# Altium PCB PCB1.PcbDoc (part 1 of 2)
Units mm, origin at the board's own origin, x right, y up, seen from the top; angles counter-clockwise.
Board outline 101.35 x 52 mm, 2 copper layers (Top Layer, Bottom Layer); 142 components, 119 nets, 501 pads, 93 vias.
Unrouted connection lines stored in the file: 1.
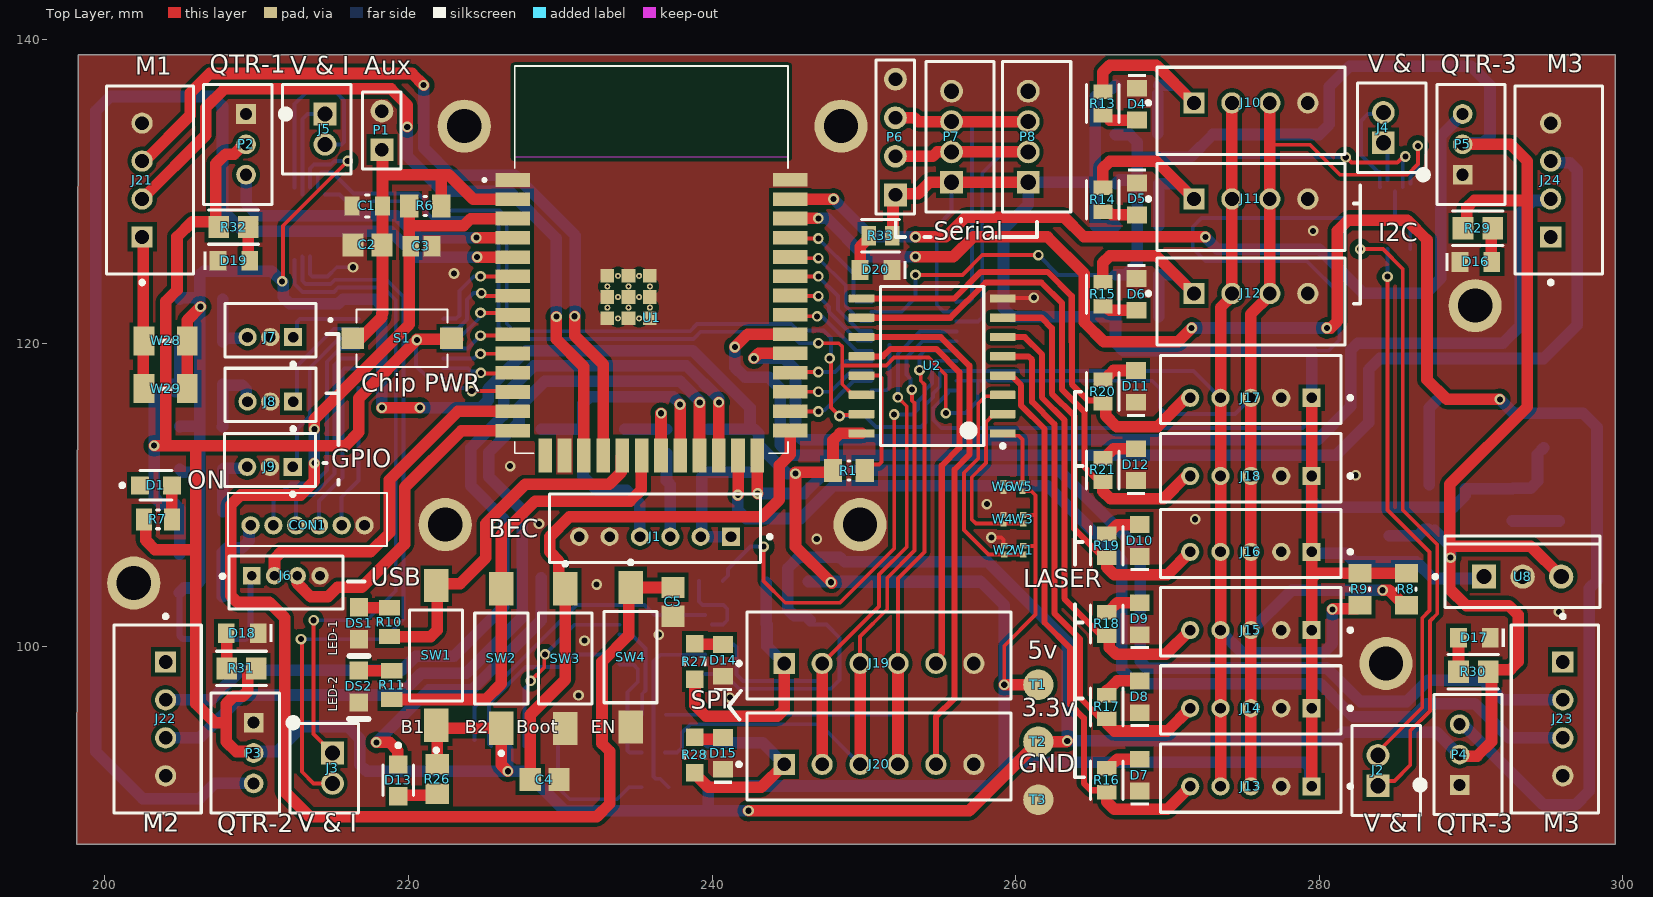
[diagram p0: Top Layer view]
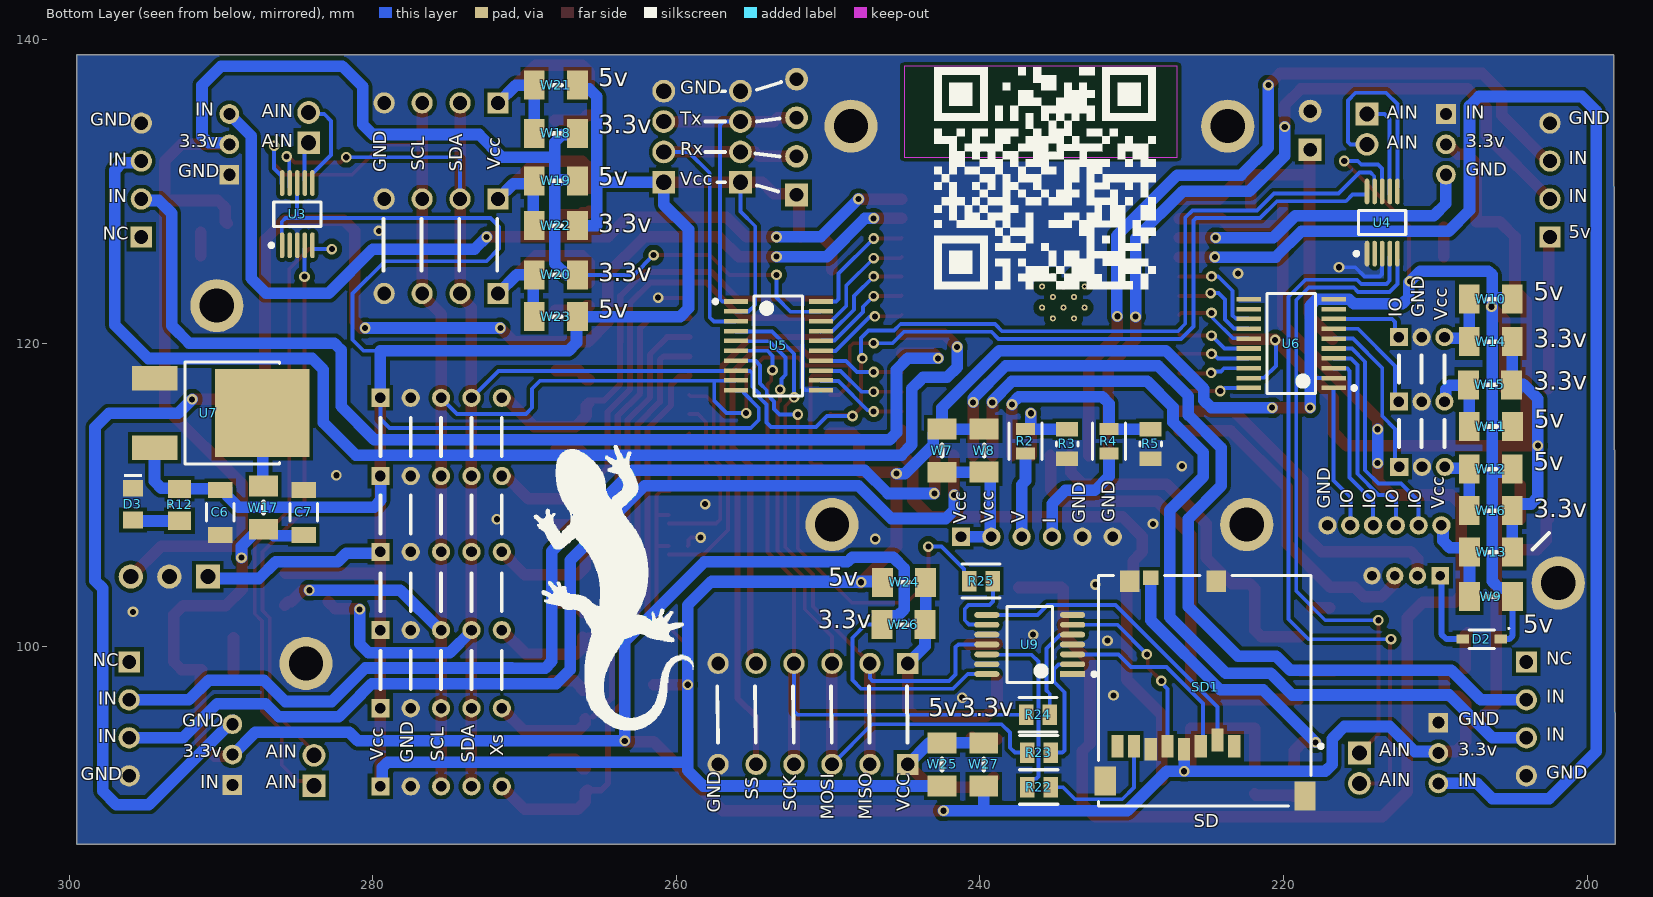
[diagram p1: Bottom Layer view, seen from below]
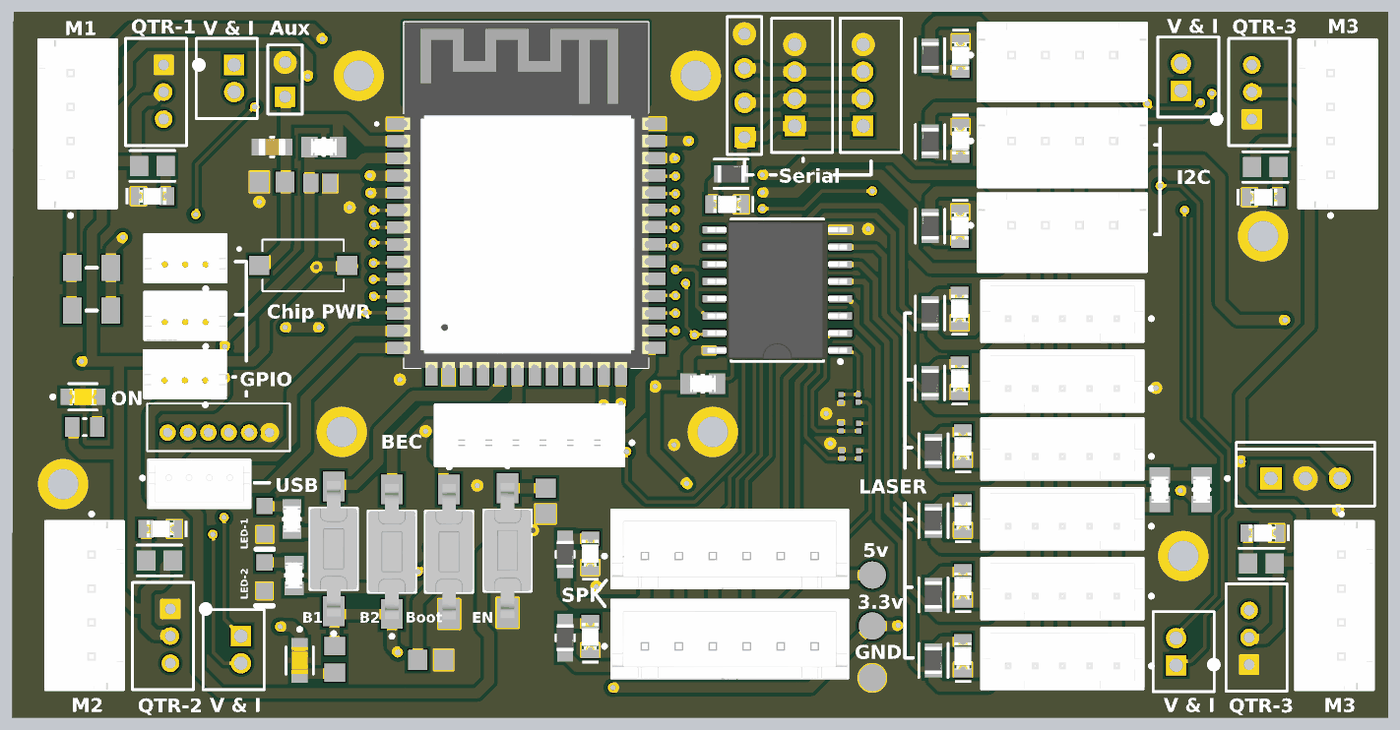
[diagram p3: 3D render of the assembled board from above, using the file's embedded part models]

## Layer stack, top to bottom
Top Solder: solder mask 0.0102, Solder Resist, Dk 3.5
Top Layer: signal copper 0.0356
Dielectric 1: dielectric 0.32, FR-4, Dk 4.8
Bottom Layer: signal copper 0.0356
Bottom Solder: solder mask 0.0102, Solder Resist, Dk 3.5

## Board outline
198.15,87 299.5,87 299.5,139 198.25,139

## Design rules (kind name [scope] priority, off if disabled: settings)
Clearance [All] p1: gap=0.254 ignorepadtopadclearanceinfootprint=TRUE except(0.127: Arc-SMDPad Track-SMDPad SMDPad-SMDPad; 0.33: Track-THPad; 0.5: Arc-THPad Arc-Hole Track-Hole SMDPad-THPad SMDPad-Hole THPad-THPad THPad-Hole Via-Hole Fill-Hole Poly-Hole Region-Hole Text-Hole)
PlaneConnect [All] p1: planeconnectstyle=Direct reliefexpansion=0.508 reliefentries=4 reliefconductorwidth=0.254 reliefairgap=0.254
PolygonConnect [All] p1: connectstyle=Direct reliefconductorwidth=0.4 reliefentries=4 polygonreliefangle="90 Angle" airgapwidth=0.3
RoutingVias [All] p1: holewidth=0.5 width=0.75 viastyle="Through Hole" minholewidth=0.254 minwidth=0.4 maxholewidth=0.711 maxwidth=1.27
SolderMaskExpansion [All] p1: expansion=0.102 istentingtop=FALSE
Width [All] p1: maxlimit=3 minlimit=0.254 preferedwidth=0.762 minimp=50.000000 maximp=50.000000 favimp=50.000000
29 further rules are at their usual default settings.

## Classes and differential pairs
component class UART: D20 P6 P7 P8 R33
component class "Drivers ESC": J21 J22 J23 J24 W28 W29
component class QTR: D16 D17 D18 D19 P2 P3 P4 P5 R29 R30 R31 R32
component class SPI: D13 D14 D15 J19 J20 R22 R23 R24 R25 R26 R27 R28 SD1 U9 W24 W25 W26 W27
component class I2C: D4 D5 D6 D7 D8 D9 D10 D11 D12 J10 J11 J12 J13 J14 J15 J16 J17 J18 R13 R14 R15 R16 R17 R18 R19 R20 R21 W18 W19 W20 W21 W22 W23
component class Hoja_principal_Sumo_2024: C1 C2 C3 C4 C5 C6 C7 CON1 D1 D2 D3 DS1 DS2 J1 J2 J3 J4 J5 J6 J7 J8 J9 P1 R1 R2 R3 R4 R5 R6 R7 R8 R9 R10 R11 R12 S1 SW1 SW2 SW3 SW4 T1 T2 T3 U1 U2 U3 U4 U5 U6 U7 U8 W1 W2 W3 W4 W5 W6 W7 W8 W9 W10 W11 W12 W13 W14 W15 W16 W17

## Components (designator, comment, footprint, x,y, rotation, side; value= is the part's Value field where it differs from the comment)
C1 "TMK212BBJ106KG-T" FP-0805-L_2_0_0_2-W_1_25-MFG 217.289,129.05 r180 top
C2 "GRM21BR71H104KA01L" CAPC2013X135X45ML10T25 217.3,126.475 r180 top
C3 "C0805C105K4PACTU" CAPC2013X145X50LL20T25 220.85,126.4 r180 top
C4 "GRM21BR71H104KA01L" CAPC2013X135X45ML10T25 228.975,91.25 r180 top
C5 "GRM21BR71H104KA01L" CAPC2013X135X45ML10T25 237.432,102.957 r90 top
C6 "GRM31CR71A226KE15L" FP-GRM31C-0_2-e0_3_0_8-MFG 290.04,108.847 r270 bottom
C7 "GRM31CR71A226KE15L" FP-GRM31C-0_2-e0_3_0_8-MFG 284.55,108.847 r90 bottom
CON1 "B6B-ZR" B6B-ZR 218.6,106.7 r180 top
D1 "APHCM2012SYCK-F01" FP-APHCM2012SYCK-F01-MFG 203.368,110.632 r0 top
D2 "BAS3010A03WE6327HTSA1" INF-SOD323_V 206.94,100.5 r270 bottom
D3 "150080SS75000" WL-SMCW_0805_150080xx75000 295.8,109.398 r270 bottom
D4 "150080BS75000" WL-SMCW_0805_150080xx75000 268,135.75 r270 top
D5 "150080BS75000" WL-SMCW_0805_150080xx75000 268,129.5 r270 top
D6 "150080BS75000" WL-SMCW_0805_150080xx75000 267.965,123.215 r270 top
D7 "150080BS75000" WL-SMCW_0805_150080xx75000 268.175,91.55 r90 top
D8 "150080BS75000" WL-SMCW_0805_150080xx75000 268.175,96.7 r90 top
D9 "150080BS75000" WL-SMCW_0805_150080xx75000 268.175,101.85 r90 top
D10 "150080BS75000" WL-SMCW_0805_150080xx75000 268.175,107 r90 top
D11 "150080BS75000" WL-SMCW_0805_150080xx75000 267.925,117.15 r90 top
D12 "150080BS75000" WL-SMCW_0805_150080xx75000 267.925,112 r90 top
D13 "LTST-C170KFKT" FP-LTST-C170KFKT-MFG 219.325,91.2 r270 top
D14 "150080BS75000" WL-SMCW_0805_150080xx75000 240.725,99.1 r90 top
D15 "150080BS75000" WL-SMCW_0805_150080xx75000 240.725,92.975 r90 top
D16 "150080BS75000" WL-SMCW_0805_150080xx75000 290.325,125.35 r0 top
D17 "150080BS75000" WL-SMCW_0805_150080xx75000 290.225,100.6 r180 top
D18 "150080BS75000" WL-SMCW_0805_150080xx75000 209.05,100.9 r180 top
D19 "150080BS75000" WL-SMCW_0805_150080xx75000 208.5,125.425 r0 top
D20 "150080BS75000" WL-SMCW_0805_150080xx75000 250.8,124.825 r180 top
DS1 "HSMG-C170" AVAG-HSMX-C170_V 216.75,101.55 r270 top
DS2 "HSMG-C170" AVAG-HSMX-C170_V 216.725,97.385 r270 top
J1 "B6B-PH-K-K(LF)(SN)" FP-B6B-PH-K-K_LF_SN-MFG 236.25,107.8 r0 top
J2 "B2B-PH-K-S(LF)(SN)" JST-B2B-PH-K-S_V 284.425,91.85 r90 top
J3 "B2B-PH-K-S(LF)(SN)" JST-B2B-PH-K-S_V 214.45,92 r270 top
J4 "B2B-PH-K-S(LF)(SN)" JST-B2B-PH-K-S_V 284.775,134.2 r90 top
J5 "B2B-PH-K-S(LF)(SN)" JST-B2B-PH-K-S_V 213.95,134.1 r270 top
J6 "B4B-ZR(LF)(SN)" FP-B4B-ZR_LF_SN-MFG 211.924,104.226 r180 top
J7 "B3B-ZR(LF)(SN)" FP-B3B-ZR_LF_SN-MFG 210.9,120.85 r0 top
J8 "B3B-ZR(LF)(SN)" FP-B3B-ZR_LF_SN-MFG 210.9,116.6 r0 top
J9 "B3B-ZR(LF)(SN)" FP-B3B-ZR_LF_SN-MFG 210.875,112.3 r0 top
J10 "B4B-XH-A(LF)(SN)" FP-B4B-XH-A_LF_SN-MFG 275.5,135.304 r180 top
J11 "B4B-XH-A(LF)(SN)" FP-B4B-XH-A_LF_SN-MFG 275.5,128.975 r180 top
J12 "B4B-XH-A(LF)(SN)" FP-B4B-XH-A_LF_SN-MFG 275.5,122.75 r180 top
J13 "B5B-PH-K-S(LF)(SN)" FP-B5B-PH-K-S_LF_SN-MFG 275.5,91.35 r180 top
J14 "B5B-PH-K-S(LF)(SN)" FP-B5B-PH-K-S_LF_SN-MFG 275.5,96.5 r180 top
J15 "B5B-PH-K-S(LF)(SN)" FP-B5B-PH-K-S_LF_SN-MFG 275.5,101.65 r180 top
J16 "B5B-PH-K-S(LF)(SN)" FP-B5B-PH-K-S_LF_SN-MFG 275.5,106.8 r180 top
J17 "B5B-PH-K-S(LF)(SN)" FP-B5B-PH-K-S_LF_SN-MFG 275.5,116.95 r180 top
J18 "B5B-PH-K-S(LF)(SN)" FP-B5B-PH-K-S_LF_SN-MFG 275.5,111.8 r180 top
J19 "B6B-XH-A(LF)(SN)" FP-B6B-XH-A_LF_SN-MFG 251,99.425 r0 top
J20 "B6B-XH-A(LF)(SN)" FP-B6B-XH-A_LF_SN-MFG 251,92.775 r0 top
J21 "B4B-XH-A(LF)(SN)" FP-B4B-XH-A_LF_SN-MFG 202.975,130.75 r270 top
J22 "B4B-XH-A(LF)(SN)" FP-B4B-XH-A_LF_SN-MFG 203.475,95.25 r90 top
J23 "B4B-XH-A(LF)(SN)" FP-B4B-XH-A_LF_SN-MFG 295.525,95.25 r90 top
J24 "B4B-XH-A(LF)(SN)" FP-B4B-XH-A_LF_SN-MFG 295.775,130.75 r270 top
P1 "Header 2" HDR1X2 218.25,132.75 r90 top
P2 "B3B-PH-K-S(LF)(SN)" JST-B3B-PH-K-S-3_V 208.75,133.1 r270 top
P3 "B3B-PH-K-S(LF)(SN)" JST-B3B-PH-K-S-3_V 209.25,93 r270 top
P4 "B3B-PH-K-S(LF)(SN)" JST-B3B-PH-K-S-3_V 289.8,92.9 r90 top
P5 "B3B-PH-K-S(LF)(SN)" JST-B3B-PH-K-S-3_V 290,133.1 r90 top
P6 "Header 4" HDR1X4 252.081,129.77 r90 top
P7 "B4B-PH-K-S(LF)(SN)" JST-B4B-PH-K-S_V 256.331,133.6 r90 top
P8 "B4B-PH-K-S(LF)(SN)" JST-B4B-PH-K-S_V 261.381,133.6 r90 top
R1 "CRCW080510K0FKEA" FP-CRCW0805-e3-IPC_A 249.017,111.603 r180 top
R2 "RC0805FR-07100KL" FP-RC0805-0_6-IPC_C 237,113.54 r270 bottom
R3 "CRCW080547K0FKEA" FP-CRCW0805-e3-MFG 234.25,113.367 r90 bottom
R4 "RC0805FR-07100KL" FP-RC0805-0_6-IPC_C 231.5,113.54 r270 bottom
R5 "CRCW080547K0FKEA" FP-CRCW0805-e3-MFG 228.75,113.367 r90 bottom
R6 "CRCW080510K0FKEA" FP-CRCW0805-e3-IPC_A 221.101,129.05 r0 top
R7 "CRCW0805680RFKEA" RESC2013X50X30NL20T20 203.491,108.4 r180 top
R8 "CRCW080510K0FKEA" FP-CRCW0805-e3-IPC_A 285.75,103.791 r90 top
R9 "CRCW080510K0FKEA" FP-CRCW0805-e3-IPC_A 282.675,103.791 r90 top
R10 "CRCW0805390RFKEA" FP-CRCW0805-e3-IPC_B 218.75,101.625 r270 top
R11 "CRCW0805390RFKEA" FP-CRCW0805-e3-IPC_B 218.9,97.475 r270 top
R12 "CRCW080510K0FKEA" FP-CRCW0805-e3-IPC_A 292.725,109.349 r90 bottom
R13 "ERJ-P06F1001V" FP-ERJP06-IPC_C 265.75,135.778 r90 top
R14 "ERJ-P06F1001V" FP-ERJP06-IPC_C 265.75,129.449 r90 top
R15 "ERJ-P06F1001V" FP-ERJP06-IPC_C 265.75,123.224 r90 top
R16 "ERJ-P06F1001V" FP-ERJP06-IPC_C 266,91.207 r270 top
R17 "ERJ-P06F1001V" FP-ERJP06-IPC_C 266,96.041 r270 top
R18 "ERJ-P06F1001V" FP-ERJP06-IPC_C 266,101.507 r270 top
R19 "ERJ-P06F1001V" FP-ERJP06-IPC_C 266,106.657 r270 top
R20 "ERJ-P06F1001V" FP-ERJP06-IPC_C 265.75,116.807 r270 top
R21 "ERJ-P06F1001V" FP-ERJP06-IPC_C 265.75,111.657 r270 top
R22 "RG2012N-332-C-T5" FP-RG2012-IPC_C 236.124,90.75 r0 bottom
R23 "RG2012N-332-C-T5" FP-RG2012-IPC_C 236.124,93.025 r180 bottom
R24 "RG2012N-332-C-T5" FP-RG2012-IPC_C 236.175,95.525 r180 bottom
R25 "RG2012N-332-C-T5" FP-RG2012-IPC_C 239.925,104.325 r180 bottom
R26 "ERJ6ENF6800V" RESC2013X70X40ML20T20 221.904,91.289 r90 top
R27 "ERJ-P06F1001V" FP-ERJP06-MFG 238.875,99.025 r270 top
R28 "ERJ-P06F1001V" FP-ERJP06-MFG 238.875,92.875 r270 top
R29 "ERJ-6ENF1500V" FP-ERJ6EN-IPC_A 290.449,127.575 r180 top
R30 "ERJ-6ENF1500V" FP-ERJ6EN-IPC_A 290.151,98.35 r0 top
R31 "ERJ-6ENF1500V" FP-ERJ6EN-IPC_A 208.999,98.575 r0 top
R32 "ERJ-6ENF1500V" FP-ERJ6EN-IPC_A 208.476,127.65 r180 top
R33 "ERJ-P06F1001V" FP-ERJP06-IPC_C 251.098,127.073 r0 top
S1 "TS10-63-26-BE-250-SMT-TR" SW_TS10-63-26-BE-250-SMT-TR 219.582,120.323 r0 top
SD1 "473521001" MOLX-473521001_V 225.19,97.11 r180 bottom
SW1 "FSMSMTR" TECO-FSMSMTR_V 221.825,99.43 r90 top
SW2 "FSMSMTR" TECO-FSMSMTR_V 226.117,99.229 r90 top
SW3 "FSMSMTR" TECO-FSMSMTR_V 230.331,99.219 r270 top
SW4 "FSMSMTR" TECO-FSMSMTR_V 234.637,99.312 r270 top
T1 "Test point" Testpoint 261.5,97.5 r0 top
T2 "Test point" Testpoint 261.5,93.75 r0 top
T3 "Test point" Testpoint 261.5,89.925 r0 top
U1 "ESP32-S3-WROOM-1 N8R8" PCBComponent_1 236,125.5 r0 top
U2 "PCF8574DWR" DW0016A_L 254.5,118.5 r180 top
U3 "ADS1115IDGST" TI-DGS10_N 284.975,128.5 r90 bottom
U4 "ADS1115IDGST" TI-DGS10_N 213.5,127.95 r90 bottom
U5 "TXS0108EQPWRQ1" FP-PW0020A-MFG 253.277,119.823 r180 bottom
U6 "TXS0108EQPWRQ1" FP-PW0020A-MFG 219.5,119.975 r0 bottom
U7 "NCP1117DT33T5G" FP-369C-MFG 290.075,115.4 r270 bottom
U8 "3.3v" FAIR-TO-220-3 293.4,104.625 r90 top
U9 "SN74LVC125APWR" FP-PW0014A-IPC_B 236.725,100.15 r0 bottom
W1 "Jumper" "Jumper Mini" 260.5,106.369 r90 top
W2 "Jumper" "Jumper Mini" 259.25,106.369 r270 top
W3 "Jumper" "Jumper Mini" 260.5,108.4 r90 top
W4 "Jumper" "Jumper Mini" 259.2,108.406 r270 top
W5 "Jumper" "Jumper Mini" 260.45,110.531 r270 top
W6 "Jumper" "Jumper Mini" 259.2,110.531 r90 top
W7 "Jumper" "Jumper Mid" 242.5,112.921 r90 bottom
W8 "Jumper" "Jumper Mid" 239.719,112.928 r90 bottom
W9 "Jumper" "Jumper Mid" 206.329,103.3 r180 bottom
W10 "Jumper" "Jumper Mid" 206.35,122.9 r180 bottom
W11 "Jumper" "Jumper Mid" 206.34,114.51 r180 bottom
W12 "Jumper" "Jumper Mid" 206.35,111.7 r180 bottom
W13 "Jumper" "Jumper Mid" 206.329,106.228 r180 bottom
W14 "Jumper" "Jumper Mid" 206.35,120.1 r180 bottom
W15 "Jumper" "Jumper Mid" 206.4,117.25 r180 bottom
W16 "Jumper" "Jumper Mid" 206.35,108.963 r180 bottom
W17 "Jumper" "Jumper Mid" 287.2,109.162 r90 bottom
W18 "Jumper" "Jumper Mid" 267.935,133.815 r180 bottom
W19 "Jumper" "Jumper Mid" 267.935,130.7 r180 bottom
W20 "Jumper" "Jumper Mid" 267.935,124.5 r180 bottom
W21 "Jumper" "Jumper Mid" 267.935,137 r180 bottom
W22 "Jumper" "Jumper Mid" 267.935,127.75 r180 bottom
W23 "Jumper" "Jumper Mid" 267.935,121.75 r180 bottom
W24 "Jumper" "Jumper Mid" 245,104.25 r0 bottom
W25 "Jumper" "Jumper Mid" 242.5,92.249 r270 bottom
W26 "Jumper" "Jumper Mid" 245.04,101.46 r0 bottom
W27 "Jumper" "Jumper Mid" 239.75,92.249 r270 bottom
W28 "Jumper" "Jumper Mid" 204,120.15 r0 top
W29 "Jumper" "Jumper Mid" 204,117 r0 top

## Footprints (in the part's own frame and the unit in brackets; to place one, negate y for a bottom-side part, rotate by r counter-clockwise, add the part's x,y. Pads: shape width x height; smd on the part's side, far side on the other; paste and mask are expansions set on the pad)
AVAG-HSMX-C170_V [mm] "SMD, 2-Leads, Body 2x1.25mm, Height 0.8mm"
  rect 1.2x1.2 smd: 1(-1.05,0) 2(1.05,0)
  silkscreen extent 2.15,-0.63 2.15,0.63, body extent -1,-0.63 1,0.63, height 0.8
B6B-ZR [mm]
  round 1.208 hole 0.7: 1(9,-1.3) 2(7.5,-1.3) 3(6,-1.3) 4(4.5,-1.3) 5(3,-1.3) 6(1.5,-1.3)
  silkscreen extent 0,-3.43 10.5,0.07
CAPC2013X135X45ML10T25 [mm] "Chip Capacitor, 2-Leads, Body 2.10x1.35mm, IPC Low Density"
  rect 1.4x1.5 smd: 1(-0.95,0) 2(0.95,0)
  body extent -1.05,-0.67 1.05,0.67, height 1.35
CAPC2013X145X50LL20T25 [mm] "Chip Capacitor, 2-Leads, Body 2.00x1.25mm, IPC High Density"
  rect 1.1x1.35 smd: 1(-0.7,0) 2(0.7,0)
  body extent -1.1,-0.72 1.1,0.72, height 1.45
DW0016A_L [mm] "SOIC, 16-Leads, Body 10.5x7.6mm, Pitch 1.27mm, IPC High Density"
  rrect18% 1.7x0.55 smd: 1(-4.65,4.445) 2(-4.65,3.175) 3(-4.65,1.905) 4(-4.65,0.635) 5(-4.65,-0.635) 6(-4.65,-1.905) 7(-4.65,-3.175) 8(-4.65,-4.445) 9(4.65,-4.445) 10(4.65,-3.175) 11(4.65,-1.905) 12(4.65,-0.635) 13(4.65,0.635) 14(4.65,1.905) 15(4.65,3.175) 16(4.65,4.445)
  silkscreen extent -4.78,-5.25 3.4,5.39, body extent -5.14,-5.13 5.14,5.13, height 2.5
FAIR-TO-220-3 [mm] "FM, 3-Leads, Body 10.2x4.7mm, Pitch 2.54mm"
  rect 1.6x1.6 hole 1: 1(0,2.54)
  round 1.6 hole 1: 2(0,0) 3(0,-2.54)
  silkscreen extent -2.04,-5.1 2.66,5.87, body extent -2.04,-5.1 2.66,5.1, height 18.95
FP-369C-MFG [mm]
  rect 1.6x3 smd paste+0 mask+0: 1(-2.285,-4.3) 3(2.285,-4.3)
  rect 5.8x6.2 smd paste+0 mask+0: 4(0,2.79)
  silkscreen extent -3.36,-2.28 3.36,3.94, body extent -3.27,-4.95 3.27,4.95, height 2.51
FP-0805-L_2_0_0_2-W_1_25-MFG [mm]
  rect 1x1.25 smd paste+0 mask+0: 1(-1,0) 2(1,0)
  silkscreen extent -0.13,-0.72 0.13,0.72, body extent -1.6,-0.82 1.6,0.82, height 0.25
FP-APHCM2012SYCK-F01-MFG [mm]
  rect 1.2x1.2 smd paste+0 mask+0: 1(-1.05,0) 2(1.05,0)
  silkscreen extent -2.35,-0.97 1.05,0.97, body extent -1.75,-0.77 1.75,0.77, height 0.25
FP-B3B-ZR_LF_SN-MFG [mm]
  rect 1.2x1.2 hole 0.7 paste-1000 mask+0: 1(1.5,-0.45)
  round 1.2 hole 0.7 paste-1000 mask+0: 2(0,-0.45) 3(-1.5,-0.45)
  silkscreen extent -3,-2.37 3,1.75, body extent -3.1,-1.85 3.1,1.85, height 0.25
FP-B4B-XH-A_LF_SN-MFG [mm]
  rect 1.4x1.4 hole 0.9 paste-1000 mask+0: 1(3.75,-0.525)
  round 1.4 hole 0.9 paste-1000 mask+0: 2(1.25,-0.525) 3(-1.25,-0.525) 4(-3.75,-0.525)
  silkscreen extent -6.2,-2.88 6.87,2.88, body extent -6.3,-2.98 6.3,2.98, height 0.25
FP-B4B-ZR_LF_SN-MFG [mm]
  rect 1.15x1.15 hole 0.65 paste-1000 mask+0: 1(2.25,-0.45)
  round 1.15 hole 0.65 paste-1000 mask+0: 2(0.75,-0.45) 3(-0.75,-0.45) 4(-2.25,-0.45)
  silkscreen extent -3.75,-1.75 4.3,1.75, body extent -3.85,-1.85 3.85,1.85, height 0.25
FP-B5B-PH-K-S_LF_SN-MFG [mm]
  rect 1.2x1.2 hole 0.7 paste-1000 mask+0: 1(-4,0.55)
  round 1.2 hole 0.7 paste-1000 mask+0: 2(-2,0.55) 3(0,0.55) 4(2,0.55) 5(4,0.55)
  silkscreen extent -6.68,-2.25 5.95,2.25, body extent -6.05,-2.35 6.05,2.35, height 0.25
FP-B6B-PH-K-K_LF_SN-MFG [mm]
  rect 1.2x1.2 hole 0.7 paste-1000 mask+0: 1(5,-0.55)
  round 1.2 hole 0.7 paste-1000 mask+0: 2(3,-0.55) 3(1,-0.55) 4(-1,-0.55) 5(-3,-0.55) 6(-5,-0.55)
  silkscreen extent -6.95,-2.25 7.68,2.25, body extent -7.05,-2.35 7.05,2.35, height 0.25
FP-B6B-XH-A_LF_SN-MFG [mm]
  rect 1.4x1.4 hole 0.9 paste-1000 mask+0: 1(-6.25,-0.525)
  round 1.4 hole 0.9 paste-1000 mask+0: 2(-3.75,-0.525) 3(-1.25,-0.525) 4(1.25,-0.525) 5(3.75,-0.525) 6(6.25,-0.525)
  silkscreen extent -9.35,-2.88 8.7,2.88, body extent -8.8,-2.98 8.8,2.98, height 0.25
FP-CRCW0805-e3-IPC_A [mil]
  rect 47.5x59.38 smd paste+0 mask+0: 1(-41.37,0) 2(41.37,0)
  silkscreen extent -3,-25 3,25, body extent -85,-49 85,49, height 10
FP-CRCW0805-e3-IPC_B [mm]
  rect 1.007x1.408 smd paste+0 mask+0: 1(-0.951,0) 2(0.951,0)
  silkscreen extent -0.07,-0.63 0.07,0.63, body extent -1.7,-0.95 1.7,0.95, height 0.25
FP-CRCW0805-e3-MFG [mm]
  rect 0.95x1.45 smd paste+0 mask+0: 1(-0.975,0) 2(0.975,0)
  silkscreen extent -0.13,-0.7 0.13,0.7, body extent -1,-0.63 1,0.63, height 0.5
FP-ERJ6EN-IPC_A [mm]
  rect 1.355x1.462 smd paste+0 mask+0: 1(-0.976,0) 2(0.976,0)
  silkscreen extent -1.65,-1.13 1.65,1.13
FP-ERJP06-IPC_C [mm]
  rect 0.955x1.262 smd paste+0 mask+0: 1(-0.776,0) 2(0.776,0)
  silkscreen extent -1.25,-1.07 1.25,1.07, body extent -1.35,-0.77 1.35,0.77, height 0.25
FP-ERJP06-MFG [mm]
  rect 1.15x1.15 smd paste+0 mask+0: 1(-1.175,0) 2(1.175,0)
  silkscreen extent -0.23,-0.67 0.23,0.67, body extent -1.85,-0.77 1.85,0.77, height 0.25
FP-GRM31C-0_2-e0_3_0_8-MFG [mm]
  rect 1.05x1.6 smd paste+0 mask+0: 1(-1.475,0) 2(1.475,0)
  silkscreen extent -0.58,-0.9 0.58,0.9, body extent -1.6,-0.8 1.6,0.8, height 1.8
FP-LTST-C170KFKT-MFG [mm]
  rect 1.2x1.2 smd paste+0 mask+0: 1(-1.05,0) 2(1.05,0)
  silkscreen extent -2.42,-1 1,1, body extent -1.75,-0.77 1.75,0.77, height 0.25
FP-PW0014A-IPC_B [mm]
  rect 1.655x0.381 smd paste+0 mask+0: 1(-2.825,1.95)
  rrect100% 1.655x0.381 smd paste+0 mask+0: 2(-2.825,1.3) 3(-2.825,0.65) 4(-2.825,0) 5(-2.825,-0.65) 6(-2.825,-1.3) 7(-2.825,-1.95) 8(2.825,-1.95) 9(2.825,-1.3) 10(2.825,-0.65) 11(2.825,0) 12(2.825,0.65) 13(2.825,1.3) 14(2.825,1.95)
  silkscreen extent -4.37,-2.5 1.5,2.5, body extent -3.17,-2.5 3.23,2.5, height 1.2
FP-PW0020A-MFG [mm]
  rect 1.6x0.3 smd paste-1000 mask+0: 1(-2.8,2.925) 2(-2.8,2.275) 3(-2.8,1.625) 4(-2.8,0.975) 5(-2.8,0.325) 6(-2.8,-0.325) 7(-2.8,-0.975) 8(-2.8,-1.625) 9(-2.8,-2.275) 10(-2.8,-2.925) 11(2.8,-2.925) 12(2.8,-2.275) 13(2.8,-1.625) 14(2.8,-0.975) 15(2.8,-0.325) 16(2.8,0.325) 17(2.8,0.975) 18(2.8,1.625) 19(2.8,2.275) 20(2.8,2.925)
  silkscreen extent -4.28,-3.3 1.6,3.3, body extent -3.22,-3.25 3.18,3.25, height 1.2
FP-RC0805-0_6-IPC_C [mm]
  rect 0.808x1.262 smd paste+0 mask+0: 1(-0.802,0) 2(0.802,0)
  silkscreen extent -1.21,-1.07 1.21,1.07, body extent -1,-0.63 1,0.63, height 0.6
FP-RG2012-IPC_C [mm]
  rect 0.955x1.356 smd paste+0 mask+0: 1(-0.776,0) 2(0.776,0)
  silkscreen extent -1.25,-1.12 1.25,1.12, body extent -1,-0.63 1,0.63, height 0.5
HDR1X2 [mm] "Connector; Header; 2 Position"
  rect 1.5x1.5 hole 0.9: 1(0,0)
  round 1.5 hole 0.9: 2(2.54,0)
  silkscreen extent -1.27,-1.27 3.81,1.27
HDR1X4 [mm] "Connector; Header; 4 Position"
  rect 1.5x1.5 hole 0.9: 1(0,0)
  round 1.5 hole 0.9: 2(2.54,0) 3(5.08,0) 4(7.62,0)
  silkscreen extent -1.27,-1.27 8.89,1.27
INF-SOD323_V [mm] "SOD, 2-Leads, Body 1.7x1.25 mm"
  rect 0.6x0.8 smd: 1(0,1.25) 2(0,-1.25)
  silkscreen extent -0.76,-0.85 0.6,1.83, body extent -0.63,-0.85 0.63,0.85, height 1.1
JST-B2B-PH-K-S_V [mm] "Connector, 2-Leads, Body 5.9x4.5mm, Pitch 2mm"
  rect 1.5x1.5 hole 1: 1(-1,0.55)
  round 1.5 hole 1: 2(1,0.55)
  silkscreen extent -2.95,-2.25 2.95,2.25, body extent -2.95,-2.25 2.95,2.25, height 6
JST-B3B-PH-K-S-3_V [mm] "Connector, 3-Leads, Body 7.9x4.5mm, Pitch 2mm"
  rect 1.3x1.3 hole 0.8: 1(-2,0.55)
  round 1.3 hole 0.8: 2(0,0.55) 3(2,0.55)
  silkscreen extent -3.95,-2.25 3.95,3.4, body extent -3.95,-2.25 3.95,2.25, height 6
JST-B4B-PH-K-S_V [mm] "Connector, 4-Leads, Body 9.9x4.5mm, Pitch 2mm"
  rect 1.5x1.5 hole 1: 1(-3,0.55)
  round 1.5 hole 1: 2(-1,0.55) 3(1,0.55) 4(3,0.55)
  silkscreen extent -4.95,-2.25 4.95,2.25, body extent -4.95,-2.25 4.95,2.25, height 6
"Jumper Mid" [mm]
  rect 1.37x1.91 smd: 1(-1.421,0) 2(1.421,0)
  silkscreen extent -0.38,0 0.38,0
"Jumper Mini" [mm]
  rect 0.38x0.4 smd: 1(-0.281,0) 2(0.281,0)
MOLX-473521001_V [mm] "SMD, 8-Leads, Body 15.2x14mm, Pitch 1.1mm"
  rect 0.8x1.5 smd: 1(1.94,-3.66) 2(0.84,-3.26) 3(-0.26,-3.66) 4(-1.36,-3.86) 5(-2.46,-3.66) 6(-3.56,-3.86) 7(-4.66,-3.66) 8(-5.76,-3.66)
  rect 1x0.95 smd: 9(-3.56,7.425)
  rect 1.3x1.4 smd: 10(-4.95,7.2) 11(0.75,7.2)
  rect 1.4x1.9 smd: 12(6.6,-6.95) 13(-6.55,-5.95)
  silkscreen extent -7,-7.6 7.77,7.6, body extent -7.05,-7.6 7.05,7.6, height 1.85
PCBComponent_1 [mm]
  rect 2.25x0.9 smd: 1(-9.125,5.25) 2(-9.125,3.98) 3(-9.125,2.71) 4(-9.125,1.44) 5(-9.125,0.17) 6(-9.125,-1.1) 7(-9.125,-2.37) 8(-9.125,-3.64) 9(-9.125,-4.91) 10(-9.125,-6.18) 11(-9.125,-7.45) 12(-9.125,-8.72) 13(-9.125,-9.99) 14(-9.125,-11.26) 27(9.15,-11.25) 28(9.15,-9.98) 29(9.15,-8.71) 30(9.15,-7.44) 31(9.15,-6.17) 32(9.15,-4.9) 33(9.15,-3.63) 34(9.15,-2.36) 35(9.15,-1.09) 36(9.15,0.18) 37(9.15,1.45) 38(9.15,2.72) 39(9.15,3.99) 40(9.15,5.26)
  rect 0.9x2.25 smd: 15(-6.985,-12.9) 16(-5.715,-12.9) 17(-4.445,-12.9) 18(-3.175,-12.9) 19(-1.905,-12.9) 20(-0.635,-12.9) 21(0.635,-12.9) 22(1.905,-12.9) 23(3.175,-12.9) 24(4.445,-12.9) 25(5.715,-12.9) 26(6.985,-12.9)
  rect 0.9x0.9 smd: 41(-2.9,-3.86) 41(-2.9,-2.46) 41(-2.9,-1.06) 41(-1.5,-3.86) 41(-1.5,-2.46) 41(-1.5,-1.06) 41(-0.1,-3.86) 41(-0.1,-2.46) 41(-0.1,-1.06)
  round 0.4 hole 0.2 mask+0: 41_10(-1.5,-1.76) 41_11(-2.9,-1.76) 41_12(-0.1,-1.76) 41_13(-2.9,-3.16) 41_14(-1.5,-3.16) 41_15(-0.1,-3.16) 41_16(-2.2,-1.06) 41_17(-0.8,-1.06) 41_18(-2.2,-2.46) 41_19(-0.8,-2.46) 41_20(-2.2,-3.86) 41_21(-0.8,-3.86)
  Keep-Out Layer region: 9,6.75 -9,6.75 -9,12.75 9,12.75
  Keep-Out Layer region: 9,6.75 -9,6.75 -9,12.75 9,12.75
  silkscreen extent -11.1,-12.75 9,12.75, body extent -9,-12.75 9,12.75, height 3.25
RESC2013X50X30NL20T20 [mm] "Chip Resistor, 2-Leads, Body 2.00x1.25mm, IPC Medium Density"
  rect 1.05x1.45 smd: 1(-0.925,0) 2(0.925,0)
  silkscreen extent -0.1,-0.63 0.1,0.63, body extent -1.1,-0.72 1.1,0.72, height 0.5
RESC2013X70X40ML20T20 [mm] "Chip Resistor, 2-Leads, Body 2.00x1.25mm, IPC Low Density"
  rect 1.35x1.55 smd: 1(-0.975,0) 2(0.975,0)
  body extent -1.1,-0.72 1.1,0.72, height 0.7
SW_TS10-63-26-BE-250-SMT-TR [mm]
  rect 1.5x1.4 smd: 1(-3.25,0) 2(3.25,0)
  silkscreen extent -4.82,-1.9 3,1.9
TECO-FSMSMTR_V [mm] "SMD, 2-Leads, Body 6x3.5mm, Pitch 9.19mm"
  rect 2.2x1.6 smd: 1(-4.595,0)
  rect 2.18x1.6 smd: 2(4.595,0)
  silkscreen extent -6.37,-1.75 3,1.75, body extent -4.98,-1.75 4.98,1.75, height 4.4
Testpoint [mm]
  round 2 smd: 1(0,0)
TI-DGS10_N [mm] "SOP, 10-Leads, Body 3x3mm, Pitch 0.5mm, IPC Medium Density"
  oval 1.7x0.3 smd: 1(-2.05,1) 2(-2.05,0.5) 3(-2.05,0) 4(-2.05,-0.5) 5(-2.05,-1) 6(2.05,-1) 7(2.05,-0.5) 8(2.05,0) 9(2.05,0.5) 10(2.05,1)
  silkscreen extent -2.17,-1.55 0.8,1.83, body extent -1.55,-1.55 1.55,1.55, height 1.1
WL-SMCW_0805_150080xx75000 [mm] "SMD Mono-color Chip LED, body 2.0x1.25mm"
  rect 1.1x1.3 smd: 1(-1.05,0) 2(1.05,0)
  silkscreen extent -2,-0.6 -1.8,0.6, body extent -1,-0.63 1,0.62, height 0.7
